# Altium PCB WhiteRHINO_0v1.PcbDoc (part 6 of 10)
Units mm, origin at the board's own origin, x right, y up, seen from the top; angles counter-clockwise.
Board outline 120.2 x 121.5 mm, 12 copper layers (L1_Top Layer, L2_GND, L3_Critical, L4_Critical, L5_GND, L6_Power, L7_Non-Critical, L8_Power, L9_Critical, L10_Critical, L11_GND, L12_Bottom Layer), stack 1.414 mm thick; 837 components, 556 nets, 3237 pads, 1790 vias.
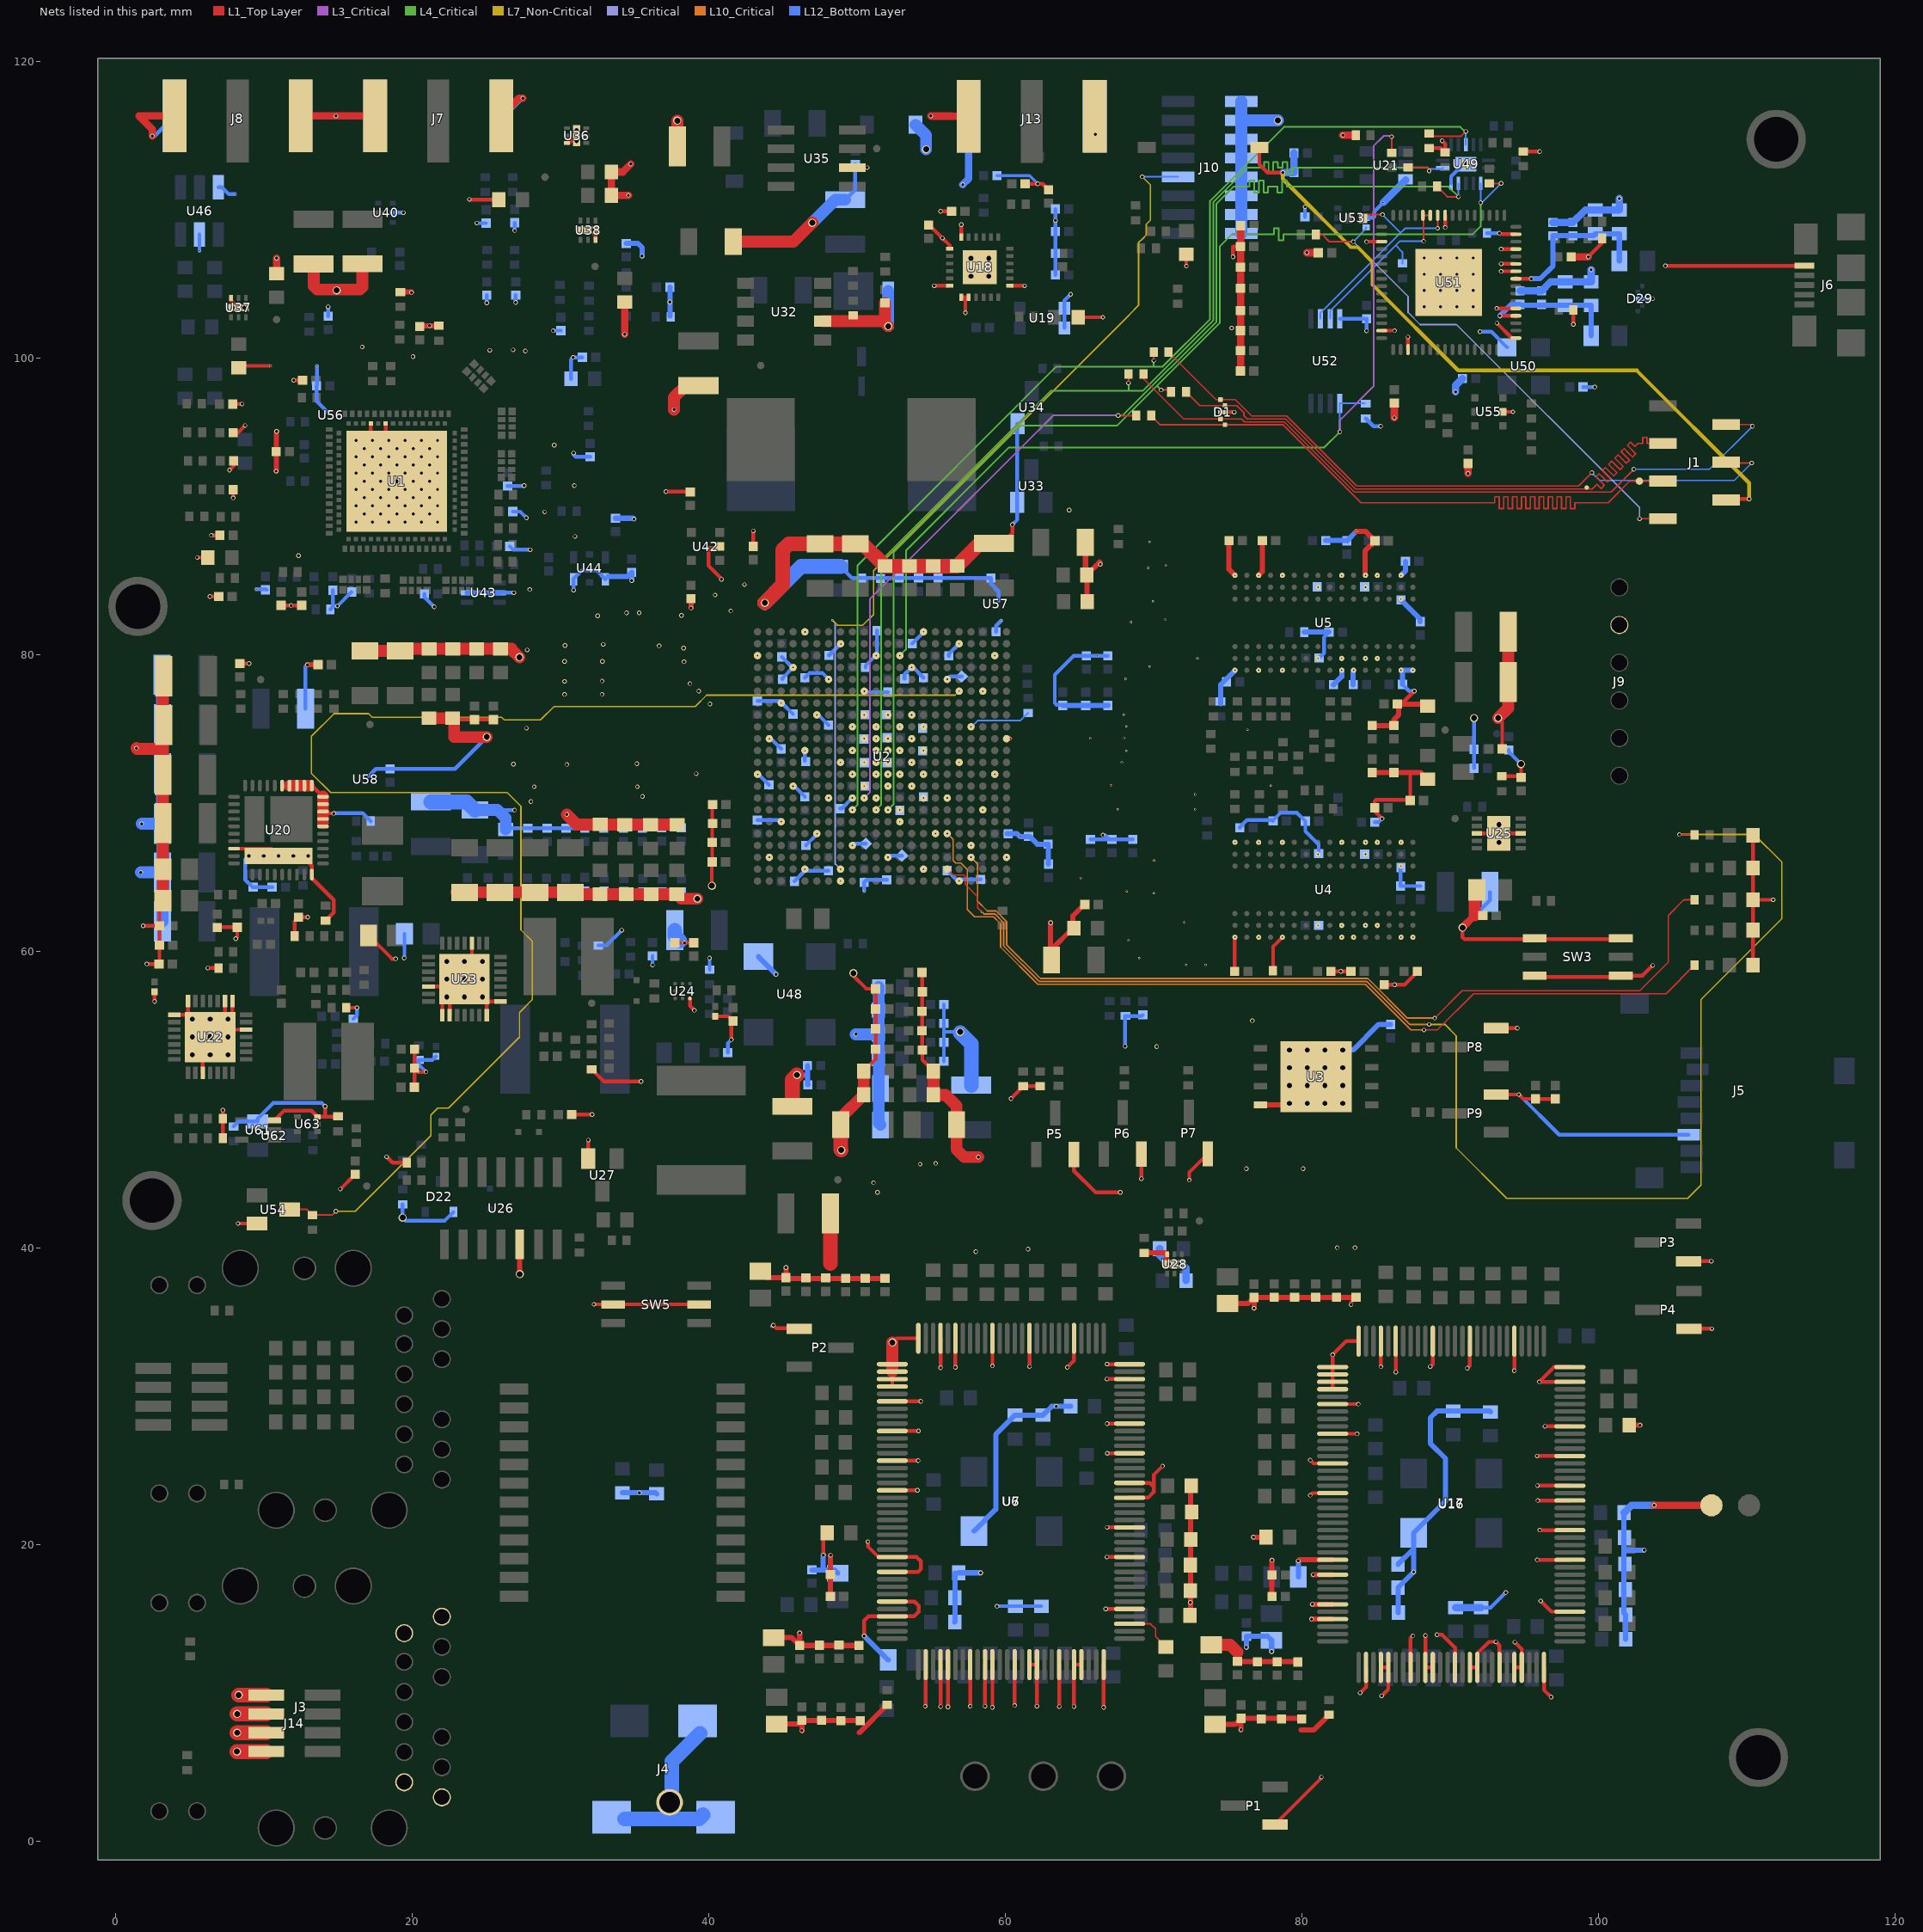
[diagram p16: the nets of this part, all layers, seen from the top]

## Via types
v1: diameter 0.15, hole 0.1, L1_Top Layer to L12_Bottom Layer, tented both sides, 705 vias
v2: diameter 0.3, hole 0.2, L1_Top Layer to L12_Bottom Layer, tented both sides, 589 vias
v3: diameter 0.3, hole 0.2, L1_Top Layer to L12_Bottom Layer, 145 vias
v4: diameter 0.55, hole 0.4, L1_Top Layer to L12_Bottom Layer, tented both sides, 89 vias
v5: diameter 0.15, hole 0.1, L1_Top Layer to L12_Bottom Layer, 73 vias
v6: diameter 0.4, hole 0.2, L1_Top Layer to L12_Bottom Layer, tented both sides, 61 vias
v7: diameter 0.66, hole 0.33, L1_Top Layer to L12_Bottom Layer, tented top, 41 vias
v8: diameter 0.3, hole 0.2, L1_Top Layer to L12_Bottom Layer, tented bottom, 27 vias
v9: diameter 0.55, hole 0.4, L1_Top Layer to L12_Bottom Layer, 20 vias
v10: diameter 0.5, hole 0.2, L1_Top Layer to L12_Bottom Layer, tented both sides, 16 vias
v11: diameter 0.5, hole 0.25, L1_Top Layer to L12_Bottom Layer, 13 vias
v12: diameter 0.4, hole 0.25, L1_Top Layer to L12_Bottom Layer, 9 vias
v13: diameter 0.5, hole 0.4, L1_Top Layer to L12_Bottom Layer, tented both sides, 1 vias
v14: diameter 0.55, hole 0.4, L1_Top Layer to L12_Bottom Layer, tented bottom, 1 vias

## Nets (pads, with @x,y where several pads share a name; then routed paths per layer and width w, separated by ;. In a path a pad name is that pad's centre, name@x,y a point inside that pad or via, vN(x,y) a via of type N, cw(c..) or ccw(c..) an arc to the next point about the centre after c; other vN are vias at no path point) (continued)
GND: C1.2 C2.1 C4.1 C5.1 C6.1 C8.1 C9.1 C10.1 C11.1 C12.1 C13.1 C14.1 C15.1 C16.1 C17.1 C18.1 C19.1 C20.1 C21.1 C22.1 C23.1 C24.1 C25.1 C26.1 C27.1 C28.1 C29.1 C30.1 C31.1 C32.1 C33.1 C34.1 C35.1 C36.1 C37.1 C38.1 C39.1 C40.1 C41.1 C42.1 C43.1 C44.1 C45.1 C46.1 C47.1 C48.1 C49.1 C50.1 C51.1 C52.1 C53.1 C54.1 C55.1 C56.1 C57.1 C58.1 C59.1 C60.1 C61.1 C62.1 C63.1 C64.1 C65.1 C66.1 C67.1 C68.1 C69.1 C70.1 C71.1 C72.1 C73.1 C74.1 C75.1 C76.1 C77.1 C78.1 C79.1 C80.1 C81.1 C82.1 C83.1 C84.1 C85.1 C86.1 C87.1 C88.1 C89.1 C90.1 C91.1 C92.1 C93.1 C94.1 C95.1 C96.1 C97.1 C98.1 C99.1 C100.1 C101.1 C102.1 C103.1 C104.1 C105.1 C106.1 C107.1 C108.1 C109.1 C110.1 C111.1 C112.1 C113.1 C114.1 C115.1 C116.1 C117.1 C118.1 C119.1 C120.1 C121.1 C122.1 C123.1 C124.1 C125.1 C126.1 C127.1 C128.1 C129.1 C130.1 C131.1 C132.1 C133.1 C134.1 C135.1 C136.1 C137.1 C138.1 C139.1 C140.1 C141.1 C142.1 C143.1 C144.1 C145.1 C146.1 C147.1 C148.1 C149.1 C150.1 C151.1 C152.1 C153.1 C154.1 C155.1 C156.1 C157.1 C159.1 C161.1 C162.1 C163.1 C164.1 C165.1 C166.1 C167.1 C168.1 C169.1 C170.1 C171.1 C172.1 C173.1 C174.1 C175.1 C176.1 C177.1 C178.1 C179.1 C180.1 C181.1 C182.1 C183.1 C184.1 C185.1 C186.1 C187.1 C188.1 C189.1 C190.1 C191.1 C192.1 C193.1 C194.1 C195.1 C196.1 C197.1 C198.1 C199.1 C200.1 C201.2 C202.1 C203.1 C204.1 C205.1 C240.1 C241.1 C242.1 C243.1 C244.1 C245.1 C246.1 C247.1 C248.1 C249.1 C250.1 C251.1 C252.1 C253.1 C254.1 C255.1 C256.1 C257.1 C258.1 C259.1 C260.1 C261.1 C262.1 C263.2 C264.1 C265.1 C266.1 C267.1 C268.1 C269.1 C270.1 C271.1 C272.1 C273.1 C274.1 C275.1 C276.1 C277.1 C278.1 C279.1 C280.1 C281.1 C282.1 C283.1 C284.1 C285.1 C286.1 C287.1 C288.2 C289.1 C290.1 C291.1 C292.2 C293.1 C294.2 C295.1 C297.1 C299.1 C301.1 C302.1 C303.1 C304.1 C307.1 C308.1 C309.1 C310.1 C311.2 C312.2 C315.1 C316.2 C317.1 C318.1 C319.1 C320.1 C321.1 C322.1 C323.1 C324.2 C326.1 C327.1 C331.1 C334.1 C335.1 C336.1 C337.1 C338.1 C339.2 C340.1 C341.1 C343.1 C344.1 C348.1 C351.1 C352.1 C353.2 C354.1 C355.2 C356.2 C358.1 C359.1 C360.1 C361.1 C362.1 C363.1 C364.1 C365.1 C366.1 C367.1 C368.1 C369.1 C370.1 C371.1 C372.1 C379.2 C380.2 C381.1 C383.2 C384.2 C385.1 C386.1 C387.1 C388.1 C389.1 C390.1 C391.1 C403.1 C404.2 C405.2 C406.2 C407.1 C408.2 C409.1 C410.1 C411.1 C412.1 C413.1 C414.2 C415.1 C416.2 C417.1 C418.1 C419.1 C420.1 C421.1 C422.1 C423.2 C424.1 C425.1 C426.1 C427.1 C428.1 C429.1 C431.2 C432.1 C436.1 C454.1 C455.1 C456.2 C457.2 C458.2 C459.1 C460.1 C461.1 C462.1 C463.1 C464.1 C465.1 C466.1 C467.1 C468.1 C469.1 C470.1 C471.1 C472.1 C473.1 C474.1 C475.1 C476.1 C477.1 C478.1 C479.1 C480.1 C481.1 C482.1 C483.1 C484.1 C485.1 C486.1 C487.1 D1.G D22.1 D26.2 D28.2 D29.G J1.6 J3.1 J3.6 J3.7 J3.12 J4.2 J4.3 J5.6 J6.5 J7.G J8.G J9.5 J10.9 J10.10 J10.11 J10.12 J10.13 J10.14 J10.15 J10.16 J12.2 J13.G J14.2 J14.4 J14.6 J14.8 LD1.1 LD2.1 LD3.1 LD5.1 LD6.1 LD7.1 P1.1 P2.1 P3.1 P4.1 P5.3 P6.3 P7.3 P8.3 P9.3 R1.2 R3.2 R20.1 R28.1 R38.1 R39.1 R65.2 R69.1 R72.1 R78.1 R79.1 R83.1 R85.1 R87.2 R88.1 R89.1 R91.1 R94.1 R99.1 R148.1 R151.1 R157.1 R158.1 R162.2 R163.1 R165.1 R167.1 R168.1 R170.1 R173.1 R178.1 R195.1 R200.1 R201.1 R204.1 R209.2 R210.1 R213.1 R218.2 R219.1 R224.1 R226.1 R228.1 R235.1 R239.1 R247.1 R271.1 R273.2 R276.2 R282.1 R286.2 R287.1 R292.1 R294.1 R295.1 R296.1 R298.2 R301.1 R312.1 R313.1 R315.1 R316.1 SW1.2 SW3.4 SW5.3 U1.97 U1.99 U1.117 U2.A5 U2.A15 U2.AA5 U2.AA15 U2.AB8 U2.AB18 U2.B8 U2.B18 U2.C1 U2.C11 U2.C21 U2.D4 U2.D14 U2.E7 U2.E17 U2.F10 U2.F20 U2.G3 U2.G10 U2.H6 U2.H8 U2.H12 U2.H14 U2.H16 U2.J9 U2.J11 U2.J13 U2.J19 U2.K2 U2.K8 U2.K10 U2.K11 U2.K12 U2.K14 U2.K22 U2.L5 U2.L9 U2.L11 U2.L12 U2.L13 U2.L15 U2.M8 U2.M10 U2.M11 U2.M12 U2.M14 U2.M18 U2.N1 U2.N9 U2.N11 U2.N12 U2.N13 U2.N21 U2.P4 U2.P8 U2.P10 U2.P12 U2.P14 U2.R9 U2.R11 U2.R13 U2.R17 U2.T20 U2.U3 U2.U13 U2.V6 U2.V16 U2.W9 U2.W19 U2.Y2 U2.Y12 U2.Y22 U3.4 U4.A9 U4.B1 U4.B3 U4.B9 U4.D1 U4.D8 U4.E1 U4.E2 U4.E8 U4.F9 U4.G1 U4.G8 U4.G9 U4.J2 U4.J8 U4.M1 U4.M9 U4.P1 U4.P9 U4.T1 U4.T9 U5.A9 U5.B1 U5.B3 U5.B9 U5.D1 U5.D8 U5.E1 U5.E2 U5.E8 U5.F9 U5.G1 U5.G8 U5.G9 U5.J2 U5.J8 U5.M1 U5.M9 U5.P1 U5.P9 U5.T1 U5.T9 U6.5 U6.12 U6.16 U6.20 U6.22 U6.26 U6.30 U6.36 U6.38 U6.43 U6.49 U6.54 U6.59 U6.61 U6.64 U6.65 U6.66 U6.67 U6.68 U6.70 U6.74 U6.78 U6.82 U6.91 U6.93 U6.97 U6.99 U6.104 U6.106 U6.107 U6.110 U6.112 U6.113 U6.116 U6.118 U6.119 U6.122 U6.124 U6.125 U6.128 U7.2 U16.5 U16.12 U16.16 U16.20 U16.22 U16.26 U16.30 U16.36 U16.38 U16.43 U16.49 U16.54 U16.59 U16.61 U16.64 U16.65 U16.66 U16.67 U16.68 U16.70 U16.74 U16.78 U16.82 U16.91 U16.93 U16.97 U16.99 U16.104 U16.106 U16.107 U16.110 U16.112 U16.113 U16.116 U16.118 U16.119 U16.122 U16.124 U16.125 U16.128 U17.2 U18.6 U18.7 U18.12 U18.13 U18.14 U18.19 U18.25 U19.1 U19.2 U20.6 U20.7 U20.8 U20.9 U20.10 U20.11 U20.12 U20.13 U20.14 U20.15 U20.28 U20.40 U20.41 U21.3 U22.1 U22.2 U22.7 U22.8 U22.17 U22.26 U22.29 U23.1 U23.2 U23.7 U23.8 U23.17 U23.26 U23.29 U24.A1 U25.3 U25.8 U25.11 U26.12 U27.S U28.3 U32.6 U33.S U34.S U35.6 U36.3 U37.3 U38.3 U40.2 U42.2 U43.2 U43.5 U44.1 U44.3 U46.2 U46.6 U48.2 U49.7 U50.2 U51.1 U51.5 U51.10 U51.11 U51.13 U51.15 U51.25 U51.35 U51.47 U51.51 U51.65 U52.4 U53.2 U54.S U55.2 U56.A2 U57.A2 U58.A2 U61.3 U62.S U63.3 | length 1203.9
  L1_Top Layer w0.254: v3(1.875,61.7) C321.1@2.975,61.7 ; v3(2.125,59.125) C323.1@2.95,59.125 2.975,59.15 C322.1@2.975,60.4 C321.1@2.975,61.7 ; v2(2.65,56.6) C331.1@2.65,57.245 ; C320.1@3.2,63.4 2.975,63.175 C321.1@2.975,61.7 ; U22.8@3.975,55.7 U22.29@4.9,55.7 ; U22.7@4.9,56.625 U22.29@4.9,55.7 ; v2(5.525,86.525) C415.1@6.25,86.525 ; U22.17@5.9,51.775 5.9,53.7 v7(6.4,54.2) ; v2(6.225,58.85) R209.2@6.95,58.85 ; v2(6.375,83.9) C405.2@6.975,83.9 ; v2(6.475,88.025) C414.2@7.05,88.025 ; C318.1@6.875,61.575 6.9,61.6 C317.1@8.225,61.6 8.225,60.925 v3(8.125,60.825) ; R313.1@7.25,47.375 R312.1@7.25,48.7 v2(7.25,49.275) ; U22.29@7.4,55.4 U22.2@7.4,56.625 ; v2(7.7,92.425) 7.975,92.7 C413.1@7.975,93.05 ; U37.3@7.806,104.025 7.806,103.85 8.281,103.375 U37.3@8.306,103.375 ; U22.1@7.9,56.625 7.9,55.7 v7(7.6,55.4) U22.29@6.9,54.7 ; C409.1@7.925,96.875 v2(8.55,96.875) ; v2(7.95,90.55) C412.1@7.95,91.1 ; U20.28@8,66.9 10.51,66.9 v11(11,66.41) ; v3(8.275,41.625) U54.S@9.55,41.625 ; 8.275,94.95 v2(8.75,95.425) ; C389.1@8.325,99.325 8.45,99.45 v5(10.45,99.45) ; C311.2@8.4,79.375 v2(9.025,79.375) ; U22.26@8.825,54.7 U22.29@6.9,54.7 ; U61.3@10.725,48.575 11.377,49.227 13.223,49.227 U63.3@13.625,48.825 14.15,48.825 ; C420.1@11.175,83.3 v2(11.85,83.3) C421.1@12.575,83.3 ; U20.15@11.25,71.15 U20.14@11.75,71.15 ; v2(12.025,98.475) C403.1@12.625,98.475 ; R200.1@12.1,61 12.1,62.025 C312.2@12.35,62.275 v2(12.975,62.275) ; U20.41@12.795,66.205 13.25,65.75 U20.40@13.25,65.15 13.25,64.913 14.727,63.436 14.727,62.602 R201.1@14.175,62.05 ; U20.11@13.25,71.15 U20.10@14,70.4 ; U20.8@14,69.4 14.125,69.275 v2(14.725,69.275) ; v2(14.15,49.525) 14.15,48.825 ; R316.1@15.025,48.85 15,48.825 14.15,48.825 ; v2(15.175,43.95) C370.1@16.175,44.95 ; R210.1@15.575,56.175 v2(16.3,56.175) ; C341.1@17.075,61.05 18.65,59.475 v2(18.9,59.475) ; U1.117@17.231,94.412 U1.99@17.231,95.562 ; U1.97@18.231,95.562 18.231,92.412 v12(18.981,91.662) ; v2(18.3,46.125) 18.7,45.725 R235.1@19.65,45.725 ; C336.1@20.169,50.813 20.169,53.369 C338.1@20.175,53.375 ; C337.1@20.175,52.1 20.425,51.85 v2(20.95,51.85) ; U23.26@21.125,57.6 U23.29@23.05,57.6 ; U23.1@22.05,55.675 22.05,56.6 v7(22.35,56.9) ; U23.2@22.55,55.675 22.55,57.1 U23.29@23.05,57.6 ; C18.1@22.85,75.6 C43.1@24.225,75.6 C19.1@25.5,75.6 ; v2(23.875,110.675) 23.9,110.65 C386.1@25.85,110.65 ; U23.17@24.05,60.525 24.05,58.6 v7(23.55,58.1) ; U23.7@25.05,55.675 U23.29@25.05,56.6 ; U23.8@25.975,56.6 U23.29@25.05,56.6 ; U36.3@30.45,114.475 30.6,114.475 U36.3@31.1,114.975 ; C369.1@30.775,48.975 v2(32.15,48.975) ; U38.3@31.875,108.6 32.05,108.6 32.375,108.275 U38.3@32.375,107.95 ; U27.S@31.9,46 v2(31.9,47.25) ; R219.1@32.125,52.025 32.95,51.2 v2(35.45,51.2) ; v2(32.275,36.175) SW5.3@33.575,36.175 SW5.3@39.375,36.175 ; v2(37.125,90.975) C427.1@38.85,90.975 ; C359.1@37.725,60.55 v2(38.375,60.55) C360.1@39,60.55 ; U24.A1@38.75,56.8 38.75,56.3 v2(39.05,56) ; v4(40.225,64.4) 40.225,65.975 C20.1@40.25,66 C47.1@40.25,67.325 40.25,69.85 C44.1@40.275,69.875 ; C361.1@40.45,55.595 41.33,55.595 C362.1@41.65,55.275 41.55,55.175 v2(41.55,54.025) ; U42.2@40.75,87.275 40.65,87.175 40,87.175 40,85.975 40.875,85.1 v3(40.875,85.05) ; C426.1@43.025,87.275 v2(43.025,88.325) ; U2.K22@43.304,71.914 v1(43.318,71.9) ; U2.Y22@43.304,79.914 v1(43.314,79.914) ; v1(44.104,74.304) U2.N21@44.104,74.314 ; v2(44.374,34.771) 44.576,34.57 P2.1@46.375,34.57 ; U2.T20@44.904,76.714 v1(44.911,76.714) ; U2.AB18@46.504,81.514 v1(46.514,81.514) ; U2.R17@47.304,75.914 v1(47.314,75.914) ; v2(47.75,19.275) 47.75,20.525 R72.1@48,20.775 ; U2.V16@48.104,78.314 v1(48.104,78.321) ; U2.A15@48.904,64.714 v1(48.911,64.714) ; U35.6@49.7,112.815 v3(50.71,112.815) ; v4(49.775,58.5) 49.775,58.325 50.65,57.45 C105.1@51.27,57.45 C106.1@51.27,56.088 C107.1@51.27,54.75 C108.1@51.27,53.375 51.27,52.7 C100.1@50.47,51.9 ; v2(50.5,13.825) 50.5,14.85 50.787,15.137 U6.99@52.398,15.137 53.862,15.137 54.175,15.45 54.175,15.85 53.888,16.137 U6.97@52.398,16.137 ; U2.U13@50.504,77.514 v1(50.511,77.514) ; v2(50.75,20.175) 50.75,19.852 51.465,19.137 U6.91@52.398,19.137 54.038,19.137 54.325,18.85 54.325,18.325 54.137,18.137 U6.93@52.398,18.137 ; U2.Y12@51.264,79.914 v1(51.304,79.914) ; U6.82@52.398,23.637 v2(54.087,23.637) ; U6.78@52.398,25.637 v2(54.138,25.637) ; U6.74@52.398,27.637 v2(54.163,27.637) ; U6.70@52.398,29.637 v2(54.313,29.637) ; U6.68@52.398,30.637 U6.67@52.398,31.137 U6.66@52.398,31.637 ; v4(52.398,33.602) 52.683,33.887 U6.64@54.148,33.887 ; C115.1@54.4,58.55 C117.1@54.4,55.925 C118.1@54.4,54.625 54.4,53.35 C119.1@54.425,53.325 54.425,52.65 C111.1@55.175,51.9 ; v2(54.625,9.075) 54.648,9.098 U6.104@54.648,11.887 ; C288.2@54.85,108.95 54.891,108.95 v2(55.775,108.066) 56.275,107.566 U18.7@56.275,107.35 ; v2(55.225,104.85) U18.12@56.275,104.85 ; v2(55.648,9.052) U6.106@55.648,11.887 ; v2(55.648,31.902) U6.61@55.648,33.887 ; v2(55.65,109.875) C293.1@56.4,109.875 ; v2(56.148,9.027) U6.107@56.148,11.887 ; v2(56.648,31.927) U6.59@56.648,33.887 ; U18.13@57.05,104.075 57.325,104.075 ; U18.6@57.05,108.125 v2(57.05,108.975) ; v2(57.325,103.025) 57.325,104.075 ; U18.14@57.55,104.075 57.325,104.075 ; v2(57.648,9.073) U6.110@57.648,11.887 ; v2(58.648,9.077) U6.112@58.648,11.887 ; v2(59.148,9.002) U6.113@59.148,11.887 ; U6.54@59.148,33.887 U6.54@59.148,33.887 v3(59.15,32.025) ; C326.1@59.25,87.475 59.8,87.475 60.5,88.175 v3(60.5,88.75) ; U2.N1@60.104,74.314 60.115,74.325 v5(60.358,74.325) ; U18.19@60.325,104.85 v2(61.325,104.85) ; v2(60.4,50.05) R276.2@61.225,50.875 R273.2@62.375,50.875 ; v2(60.648,9.123) U6.116@60.648,11.887 ; C294.2@61.35,111.725 v2(62.2,111.725) 62.525,111.725 C295.1@62.925,111.325 ; U6.118@61.648,11.887 U6.119@62.148,11.887 v2(62.148,9.077) ; v2(61.648,31.977) U6.49@61.648,33.887 ; v2(63.648,9.048) U6.122@63.648,11.887 ; v2(64.2,31.925) 64.648,32.373 U6.43@64.648,33.887 ; P5.3@64.645,46.275 64.645,45.18 66.1,43.725 v2(67.775,43.725) ; v2(64.648,9.048) U6.124@64.648,11.887 U6.125@65.148,11.887 ; C299.1@64.925,102.725 v2(66.6,102.725) ; v2(66.648,9.002) U6.128@66.648,11.887 ; v2(66.787,15.637) U6.5@68.398,15.637 ; v2(66.863,19.137) U6.12@68.398,19.137 ; v2(66.863,31.137) U6.36@68.398,31.137 ; v2(66.875,32.146) 66.884,32.137 U6.38@68.398,32.137 ; v2(66.887,21.137) U6.16@68.398,21.137 ; v2(66.887,28.137) U6.30@68.398,28.137 ; v2(66.888,26.137) U6.26@68.398,26.137 ; U6.20@68.398,23.137 69.637,23.137 70.025,23.525 70.025,23.875 ; U6.22@68.398,24.137 69.763,24.137 70.025,23.875 ; v2(69.195,44.645) P6.3@69.195,46.3 ; v2(70.625,25.275) 70.025,24.675 70.025,23.875 ; v2(72.225,106.175) LD1.1@72.225,106.975 ; v2(72.425,44.55) 72.425,45.08 P7.3@73.67,46.325 ; D1.G@74.675,96.325 v2(75.45,96.325) ; v2(75.375,106.8) 75.375,107.5 C463.1@75.875,107.5 ; C193.1@75.475,58.625 75.475,60.896 v1(75.504,60.925) ; SW1.2@77.15,114.175 77.15,113.025 77.7,112.475 v2(78.725,112.475) ; R38.1@78.075,58.675 78.075,60.296 v1(78.704,60.925) ; P1.1@78.2,1.105 81.325,4.23 v3(81.325,4.3) ; v2(80.575,23.3) 80.724,23.449 U16.82@82.093,23.449 ; v2(80.575,25.675) 80.801,25.449 U16.78@82.093,25.449 ; C187.1@81.975,58.625 v2(82.65,58.625) C191.1@83.325,58.625 ; U16.74@82.093,27.449 v2(83.749,27.449) ; U16.70@82.093,29.449 v2(83.824,29.449) ; U16.68@82.093,30.449 U16.67@82.093,30.949 U16.66@82.093,31.449 U16.65@82.093,31.949 v2(82.093,32.782) 83.01,33.699 U16.64@83.843,33.699 ; v3(83.325,36.15) 83.325,36.3 83.661,36.636 C272.1@83.675,36.65 ; v2(83.95,9.975) 84.343,10.368 U16.104@84.343,11.699 ; v2(84.375,107.825) U51.35@85.4,107.825 ; U16.106@85.343,11.699 U16.107@85.843,11.699 85.843,10.218 v2(85.4,9.775) ; v2(85.343,31.968) U16.61@85.343,33.699 ; U51.47@85.4,101.825 v2(86.275,101.825) ; v3(85.425,68.925) 84.925,69.425 C184.1@84.925,69.65 84.925,70.1 85.012,70.187 C183.1@87.188,70.187 ; C178.1@85.575,57.725 v2(86.275,57.725) 86.941,57.725 87.8,58.584 C188.1@87.8,58.625 ; U16.59@86.343,33.699 86.343,31.607 v2(86.35,31.6) ; C174.1@86.45,76.65 86.725,76.65 v3(87.6,77.525) ; U51.51@87.175,100.55 v2(87.175,101.4) ; C183.1@87.325,70.15 87.325,72.025 ; U16.110@87.343,11.699 87.343,13.668 v2(87.5,13.825) ; v2(88.343,13.843) U16.112@88.343,11.699 U16.113@88.843,11.699 ; R298.2@88.6,114.125 89.4,114.125 R292.1@89.675,113.85 89.675,114.425 v2(89.475,114.625) ; v2(88.675,31.975) 88.843,32.143 U16.54@88.843,33.699 ; v2(89.125,13.9) 89.475,13.9 90.343,13.032 U16.116@90.343,11.699 ; v2(89.675,108.775) U51.25@89.675,109.6 ; v4(90.85,61.575) 90.85,60.925 90.98,60.795 SW3.4@101.525,60.795 ; v2(91.175,31.875) 91.343,32.043 U16.49@91.343,33.699 ; U16.118@91.343,11.699 U16.119@91.843,11.699 91.843,12.632 92.636,13.425 v2(93.1,13.425) 93.343,13.182 U16.122@93.343,11.699 ; U25.8@91.8,67.925 U25.8@91.825,67.925 U25.11@93.275,67.925 ; P9.3@93.125,50.32 v2(94.655,50.32) 94.942,50.033 C458.2@95.781,50.033 95.789,50.025 C457.2@97.1,50.025 ; P8.3@93.125,54.795 v2(94.545,54.795) ; v2(93.15,103.325) U51.5@94.45,103.325 ; v2(93.175,102.325) 94.175,101.325 U51.1@94.45,101.325 ; v4(93.25,75.7) 93.525,75.425 C109.1@93.525,73.625 ; U25.11@93.3,67.925 U25.3@94.775,67.925 ; v2(93.325,108.4) 93.4,108.325 U51.15@94.45,108.325 ; v2(93.45,105.825) U51.10@94.45,105.825 ; v2(93.45,106.325) U51.11@94.45,106.325 ; v2(93.45,107.325) U51.13@94.45,107.325 ; R226.1@93.5,71.775 94.725,71.775 C366.1@94.8,71.7 v4(94.8,72.6) ; U55.2@93.575,96.35 v2(94.25,96.35) ; U16.124@94.343,11.699 U16.125@94.843,11.699 94.843,12.932 v2(94.375,13.4) ; v2(94.343,31.693) U16.43@94.343,33.699 ; R287.1@94.95,113.9 v2(96.05,113.9) ; SW3.4@95.725,58.255 SW3.4@101.525,58.255 ; v2(95.874,25.949) U16.26@98.093,25.949 ; v2(95.876,18.949) U16.12@98.093,18.949 ; v2(95.901,23.949) U16.22@98.093,23.949 ; v2(95.926,22.949) U16.20@98.093,22.949 ; v2(96.051,20.949) U16.16@98.093,20.949 ; v2(96.125,16.175) 96.851,15.449 U16.5@98.093,15.449 ; U16.128@96.343,11.699 96.343,10.182 v2(96.825,9.7) ; v2(96.401,27.949) U16.30@98.093,27.949 ; U16.36@98.093,30.949 v2(96.026,30.949) 97.026,31.949 U16.38@98.093,31.949 ; v2(98.325,102.25) R295.1@98.325,103.225 ; v2(99.325,106.8) 100.275,107.75 R294.1@100.275,108.05 ; SW3.4@101.525,58.33 102.98,58.33 v3(103.675,59.025) ; v2(104.525,106.2) J6.5@113.9,106.2 ; P3.1@106.1,39.08 v3(107.63,39.08) ; P4.1@106.125,34.53 v3(107.67,34.53) ; J1.6@108.625,90.41 108.69,90.475 v8(110.175,90.475) ; LD3.1@110.45,59.05 LD7.1@110.45,61.4 LD2.1@110.45,63.45 ; LD5.1@110.45,67.8 LD6.1@110.45,65.6 LD2.1@110.45,63.45 ; v3(111.8,63.45) LD2.1@110.45,63.45 ; U22.29@4.9,55.7 v7(5.2,55.4) v7(6.4,54.2) ; v7(6.4,54.2) U22.29@6.9,54.7 ; U23.29@23.05,57.6 v7(23.55,58.1) ; v7(23.55,58.1) v7(24.75,56.9) U23.29@25.05,56.6
  L1_Top Layer w0.35: v2(10.85,92.35) C436.1@10.85,93.675 10.85,95 v2(10.875,95.025) ; v2(12.95,79.3) C5.1@13.675,79.3 ; R3.2@19.225,104.425 19.95,104.425 v2(19.975,104.4) ; C1.2@20.525,102.1 20.575,102.15 v2(21.2,102.15) R1.2@21.825,102.15 ; v4(27.27,38.205) U26.12@27.27,40.225 ; v2(38.825,83.125) C428.1@38.825,83.75 ; C240.1@43.5,38.4 43.925,37.975 C246.1@45.225,37.975 ; C252.1@44.4,13.7 45.625,13.7 C256.1@46.15,13.175 ; C247.1@44.603,7.875 46.05,7.875 C248.1@46.3,8.125 ; v2(45.225,38.65) C246.1@45.225,37.975 ; v2(46.15,14.025) C256.1@46.15,13.175 ; v2(46.3,7.425) C248.1@46.3,8.125 ; C257.1@48.225,16.475 C260.1@48.225,17.95 v2(48.225,19.25) ; C253.1@50.15,13.175 C256.1@46.15,13.175 ; 50.175,7.3 R99.1@52.05,9.175 ; C251.1@50.234,8.11 50.219,8.125 C249.1@47.625,8.125 C248.1@46.3,8.125 ; C241.1@51.9,37.925 C242.1@50.575,37.925 C243.1@49.25,37.925 45.275,37.925 C246.1@45.225,37.975 ; C56.1@63.075,59.4 C56.1@63.075,60.039 ; v2(63.075,61.9) C56.1@63.075,60.039 ; C57.1@65.325,63.125 64.572,62.372 64.572,61.536 C56.1@63.075,60.039 ; C55.1@65.425,87.575 65.425,85.475 C54.1@65.525,85.375 ; C53.1@65.55,83.575 65.525,83.6 C54.1@65.525,85.375 ; v2(66.426,86.076) 66.426,86.174 66.375,86.225 C54.1@65.525,85.375 ; R239.1@69.375,39.65 70.825,39.65 U28.3@70.925,39.55 70.9,39.525 70.9,39.2 71.2,38.9 U28.3@71.425,38.9 ; R87.2@72.475,15.2 72.5,15.225 v2(72.5,16.075) R78.1@72.5,16.875 R79.1@72.5,18.6 72.5,23.9 R88.1@72.55,23.95 ; C273.1@74.15,7.85 75.5,7.85 C274.1@75.911,8.261 ; C266.1@75,36.225 76.38,36.225 C267.1@76.791,36.636 ; C163.1@75.1,87.675 75.1,85.729 v1(75.504,85.325) ; 75.675,12.725 C282.1@75.675,12.1 79.7,12.1 C279.1@79.736,12.064 ; v2(75.911,7.489) C274.1@75.911,8.261 ; v2(76.75,20.475) R151.1@77.6,20.475 ; v2(76.791,35.916) C267.1@76.791,36.636 ; v1(77.104,85.325) 77.35,85.571 C162.1@77.35,87.675 ; U3.4@77.225,49.62 79.07,49.62 v7(79.175,49.725) v7(80.375,50.925) U3.4@80.975,51.525 ; C283.1@78,16.475 C286.1@78,17.925 v2(78,18.925) ; v2(79.774,18.874) 79.849,18.949 U16.91@82.093,18.949 ; 79.975,7.475 80.825,7.475 R178.1@81.85,8.5 ; C277.1@80,8.225 79.964,8.261 C274.1@75.911,8.261 ; v2(80.676,14.949) U16.99@82.093,14.949 ; v2(80.726,15.949) U16.97@82.093,15.949 ; v2(80.776,17.949) U16.93@82.093,17.949 ; C272.1@83.661,36.636 C267.1@76.791,36.636 ; v1(83.7,88.3) 84.3,88.3 C168.1@84.95,87.65 84.275,86.975 84.275,85.354 v1(84.304,85.325) ; C196.1@84.75,72.025 C195.1@86.225,72.025 87.325,72.025 88.05,72.025 C197.1@88.5,71.575 ; C199.1@84.75,75.2 C198.1@86.225,75.2 86.225,75.6 86.55,75.925 86.55,76.55 C174.1@86.45,76.65 ; C174.1@86.725,76.65 88.35,76.65 C194.1@88.5,76.5 ; R148.1@102.1,28.025 v2(102.825,28.025)